# EAGLE board ControlModule-pan2 (EAGLE 7.2.0), part 5 of 9 (continued)
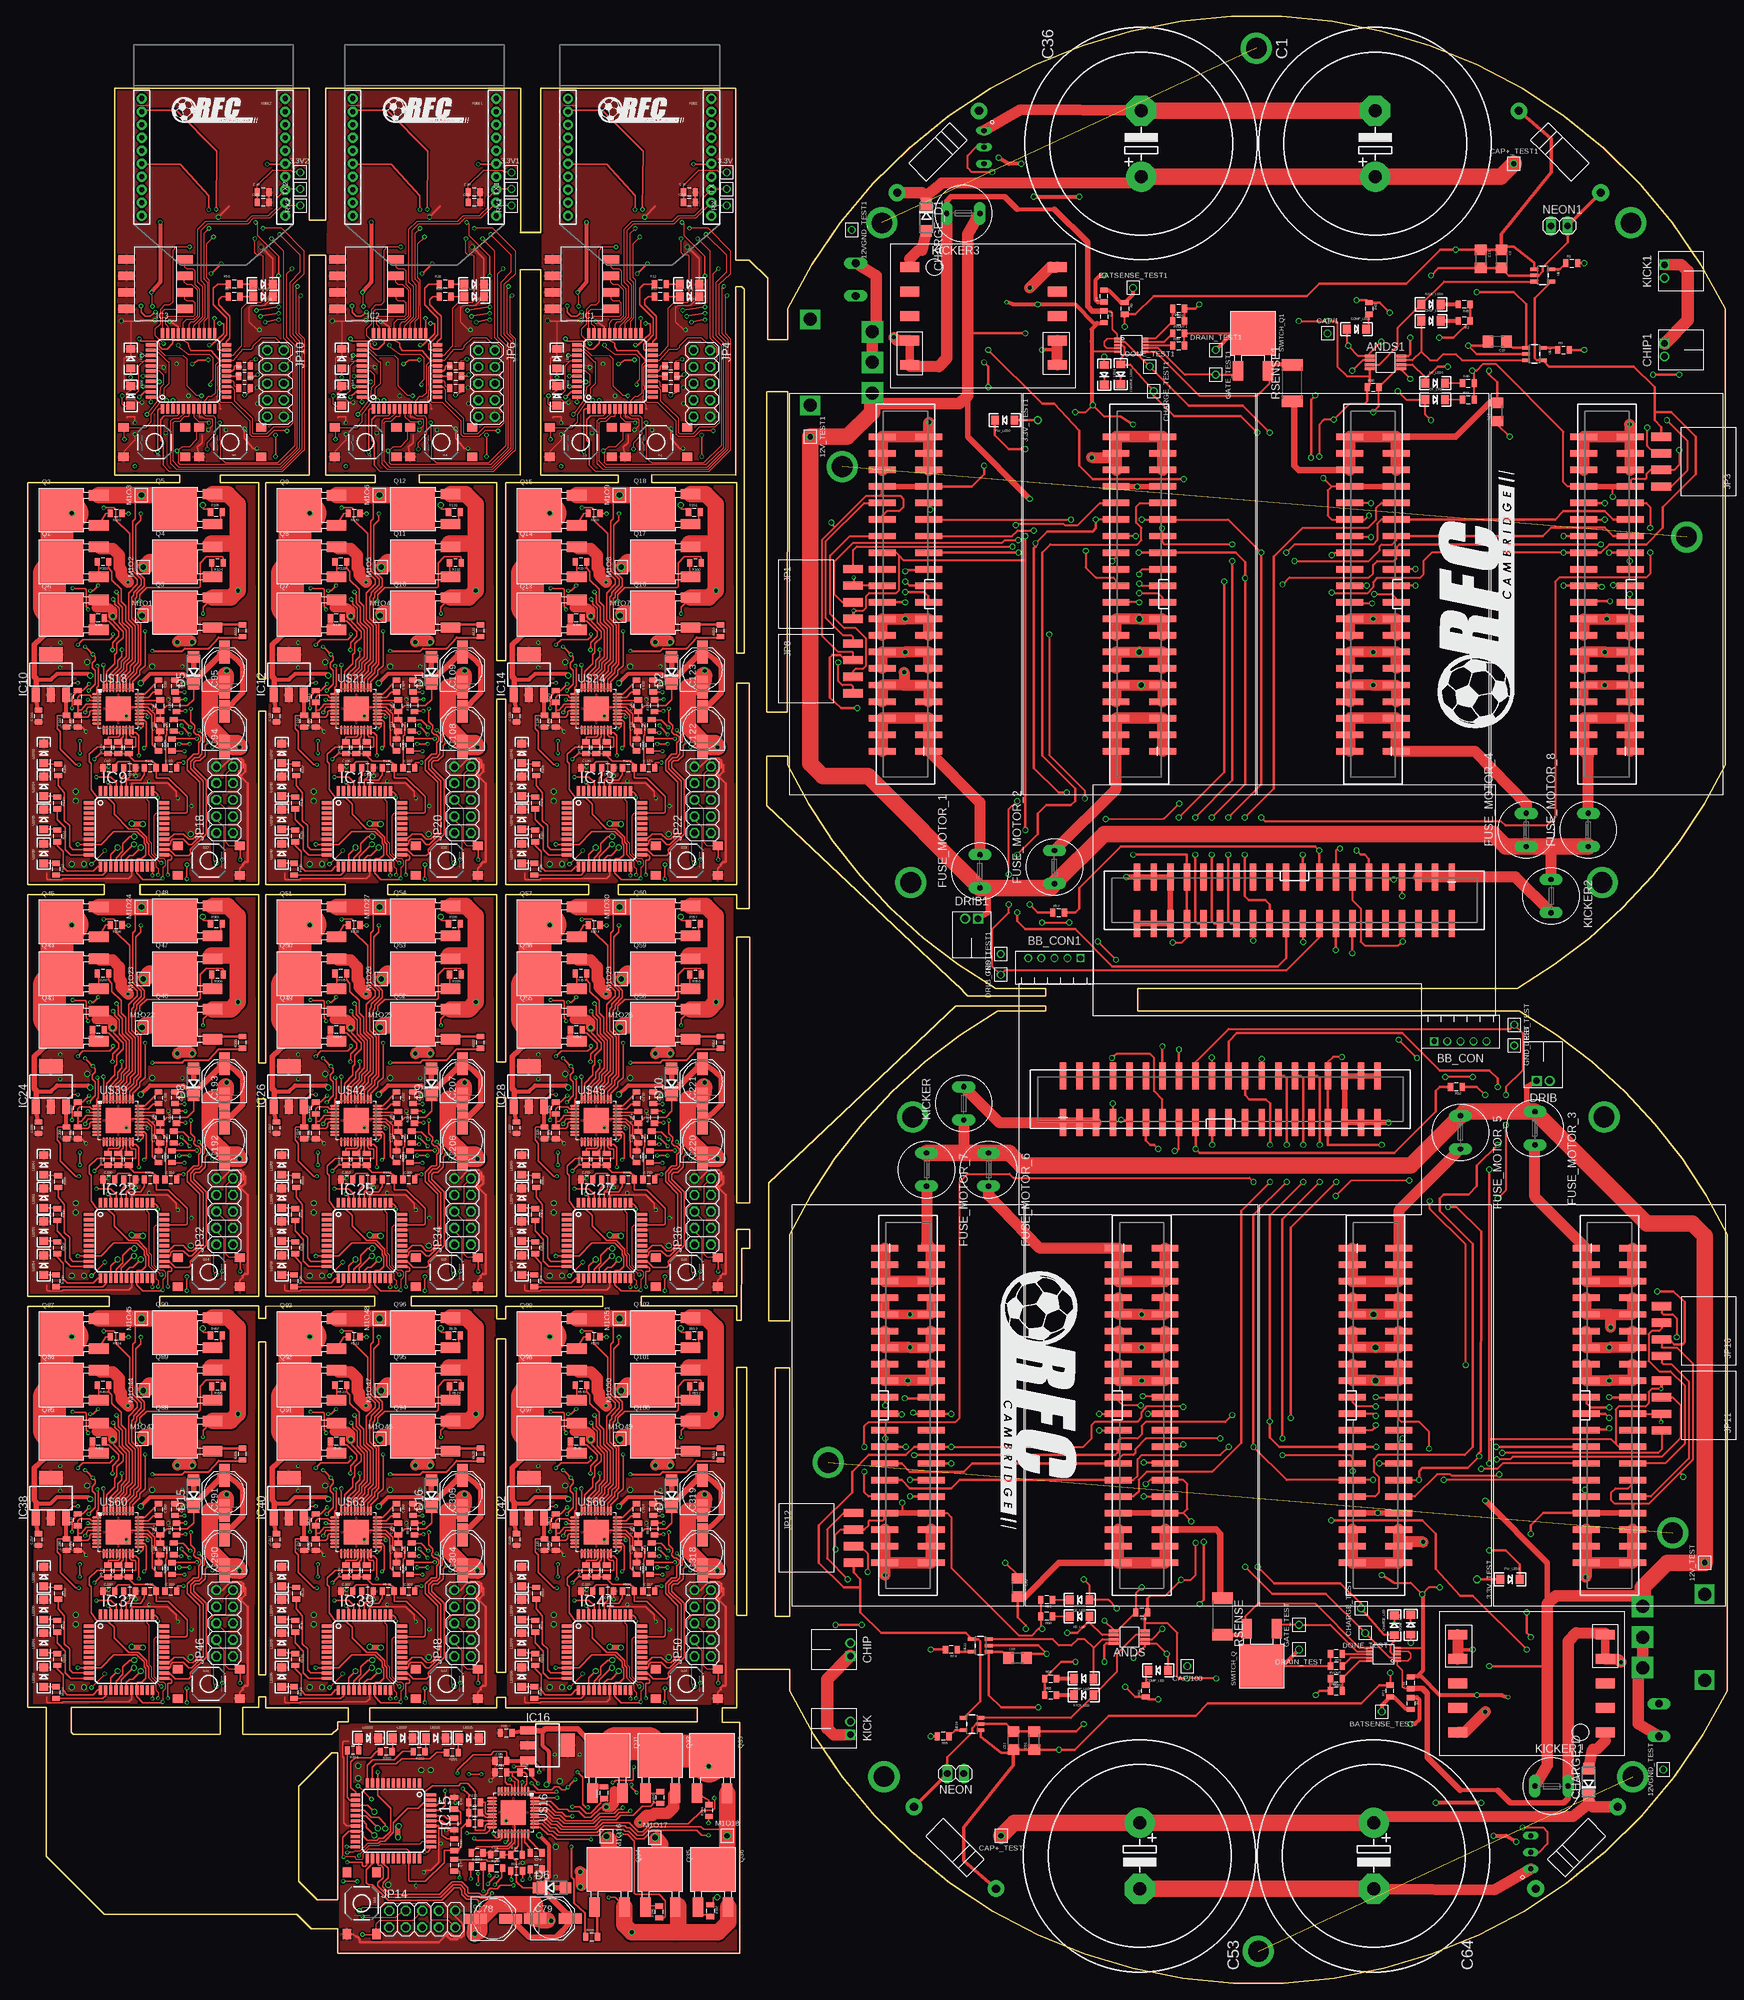
[diagram p0: board, top side]
## Tracks (layer width: path | path; a pad name or v marks a point on that pad's centre or on a via) (continued)
  other vias: 6.71,171.77 8.62,171.77 7.35,181.45 7.35,182.88 9.1,202.73 24.97,176.37 19.1,202.09 21.57,197.02 23.86,199.39 4.97,205.74 4.97,201.93 23.7,202.09
  pour Top (isolate 0.254): 34.75,229.74 0.89,229.9 0.36,169.03 34.87,168.99
  pour Bottom (isolate 0.254): 0.89,229.9 0.79,169.34 34.87,168.99 34.87,229.74
GND9  (via drill 0.3, 0.6)
  Top 0.254: v55.13,184.47 55.13,184.31 54.98,184.15 52.44,184.16 IC11.38 52.44,184.15 57.99,184.15 59.26,182.88 59.26,182.25 v59.54,181.85 | v53.07,185.26 53.07,186.48 C105.1 | IC11.18 52.44,170.03 51.96,169.55 41.96,169.55 41.8,169.39 39.58,169.39 39.42,169.55 39.42,170.34 | v61.59,180.66 61.93,180.65 | v51.64,194.47 51.48,194.47 U$21.P$3 50.62,195.83 U$21.26 54.92,195.83 55.81,194.94 55.95,194.87 55.95,193.1 56.83,192.15 C114.1 56.56,191.85 C103.1 | v45.45,192.09 44.76,192.78 R150.1 | v48.9,186.7 48.9,186.58 48.91,186.57 48.08,186.57 C106.1 | S18.4 69.03,171.04 69.47,171.49 | 67.77,187.82 67.68,187.82 67.62,187.76 67.58,187.76 67.56,187.74 67.38,187.74 66.33,186.69 JP20.10
  Top 0.406: 69.47,171.49 69.47,171.7 69.81,172.04 70.19,172.04 70.27,172.13 70.27,184.13 68.98,185.42 | 68.98,185.42 69.33,185.42 69.85,185.95 69.85,186.96 69.37,187.44 | 68.98,185.42 68.98,186.05 69.54,186.61 69.54,187.62 69.2,187.95 67.98,187.95 67.78,187.81 67.77,187.82
  Bottom 0.254: v55.13,184.47 53.86,184.47 v53.07,185.26 | U$20.3 41.89,209.3 40.37,210.82 39.26,210.82 38.94,211.14 | v59.54,181.85 59.38,181.69 60.06,180.66 v61.59,180.66 | 45.45,192.01 v45.45,192.09
  other vias: 43.23,171.77 45.13,171.77 43.86,181.45 43.86,182.88 45.61,202.73 61.48,176.37 55.61,202.09 58.09,197.02 60.37,199.39 41.48,205.74 41.48,201.93 60.21,202.09
  pour Top (isolate 0.254): 71.26,229.74 37.4,229.9 36.87,169.03 71.38,168.99
  pour Bottom (isolate 0.254): 37.4,229.9 37.31,169.34 71.38,168.99 71.38,229.74
GND10  (via drill 0.3, 0.6)
  Top 0.254: v91.96,184.47 91.96,184.31 91.81,184.15 89.27,184.16 IC13.38 89.27,184.15 94.82,184.15 96.09,182.88 96.09,182.25 v96.37,181.85 | v89.9,185.26 89.9,186.48 C119.1 | IC13.18 89.27,170.03 88.79,169.55 78.79,169.55 78.63,169.39 76.41,169.39 76.25,169.55 76.25,170.34 | v98.42,180.66 98.76,180.65 | v88.47,194.47 88.31,194.47 U$24.P$3 87.45,195.83 U$24.26 91.75,195.83 92.64,194.94 92.78,194.87 92.78,193.1 93.66,192.15 C128.1 93.39,191.85 C117.1 | v82.28,192.09 81.59,192.78 R178.1 | v85.73,186.7 85.73,186.58 85.74,186.57 84.91,186.57 C120.1 | S19.4 105.86,171.04 106.3,171.49 | 104.6,187.82 104.51,187.82 104.45,187.76 104.41,187.76 104.39,187.74 104.21,187.74 103.16,186.69 JP22.10
  Top 0.406: 106.3,171.49 106.3,171.7 106.64,172.04 107.02,172.04 107.1,172.13 107.1,184.13 105.81,185.42 | 105.81,185.42 106.16,185.42 106.68,185.95 106.68,186.96 106.2,187.44 | 105.81,185.42 105.81,186.05 106.37,186.61 106.37,187.62 106.03,187.95 104.81,187.95 104.61,187.81 104.6,187.82
  Bottom 0.254: v91.96,184.47 90.69,184.47 v89.9,185.26 | U$23.3 78.72,209.3 77.2,210.82 76.09,210.82 75.77,211.14 | v96.37,181.85 96.21,181.69 96.89,180.66 v98.42,180.66 | 82.28,192.01 v82.28,192.09
  other vias: 80.06,171.77 81.96,171.77 80.69,181.45 80.69,182.88 82.44,202.73 98.31,176.37 92.44,202.09 94.92,197.02 97.2,199.39 78.31,205.74 78.31,201.93 97.04,202.09
  pour Top (isolate 0.254): 108.09,229.74 74.23,229.9 73.7,169.03 108.21,168.99
  pour Bottom (isolate 0.254): 74.23,229.9 74.14,169.34 108.21,168.99 108.21,229.74
GND16  (via drill 0.3, 0.6)
  Top 0.254: v18.62,121.29 18.62,121.13 18.46,120.97 15.93,120.98 IC23.38 15.92,120.97 21.48,120.97 22.75,119.7 22.75,119.07 v23.03,118.67 | v16.56,122.08 16.56,123.3 C189.1 | IC23.18 15.93,106.85 15.45,106.37 5.45,106.37 5.29,106.21 3.06,106.21 2.91,106.37 2.91,107.16 | v25.08,117.48 25.42,117.47 | v15.13,131.29 14.97,131.29 U$39.P$3 14.11,132.65 U$39.26 18.4,132.65 19.3,131.76 19.44,131.69 19.44,129.91 20.32,128.96 C198.1 20.05,128.66 C187.1 | v8.94,128.91 8.25,129.6 R318.1 | v12.38,123.52 12.38,123.4 12.4,123.39 11.56,123.39 C190.1 | S24.4 32.51,107.86 32.96,108.31 | 31.25,124.64 31.17,124.64 31.11,124.58 31.07,124.58 31.04,124.56 30.86,124.56 29.82,123.51 JP32.10
  Top 0.406: 32.96,108.31 32.96,108.52 33.3,108.86 33.67,108.86 33.76,108.95 33.76,120.95 32.47,122.24 | 32.47,122.24 32.82,122.24 33.34,122.76 33.34,123.78 32.86,124.26 | 32.47,122.24 32.47,122.87 33.02,123.42 33.02,124.44 32.69,124.77 31.47,124.77 31.27,124.63 31.26,124.63 31.25,124.64
  Bottom 0.254: v18.62,121.29 17.35,121.29 v16.56,122.08 | U$38.3 5.38,146.12 3.86,147.64 2.75,147.64 2.43,147.96 | v23.03,118.67 22.87,118.51 23.54,117.48 v25.08,117.48 | 8.94,128.83 v8.94,128.91
  other vias: 6.71,108.59 8.62,108.59 7.35,118.27 7.35,119.7 9.1,139.54 24.97,113.19 19.1,138.91 21.57,133.84 23.86,136.21 4.97,142.56 4.97,138.75 23.7,138.91
  pour Top (isolate 0.254): 34.75,166.56 0.89,166.72 0.36,105.84 34.87,105.8
  pour Bottom (isolate 0.254): 0.89,166.72 0.79,106.16 34.87,105.8 34.87,166.56
GND17  (via drill 0.3, 0.6)
  Top 0.254: v55.13,121.29 55.13,121.13 54.98,120.97 52.44,120.98 IC25.38 52.44,120.97 57.99,120.97 59.26,119.7 59.26,119.07 v59.54,118.67 | v53.07,122.08 53.07,123.3 C203.1 | IC25.18 52.44,106.85 51.96,106.37 41.96,106.37 41.8,106.21 39.58,106.21 39.42,106.37 39.42,107.16 | v61.59,117.48 61.93,117.47 | v51.64,131.29 51.48,131.29 U$42.P$3 50.62,132.65 U$42.26 54.92,132.65 55.81,131.76 55.95,131.69 55.95,129.91 56.83,128.96 C212.1 56.56,128.66 C201.1 | v45.45,128.91 44.76,129.6 R346.1 | v48.9,123.52 48.9,123.4 48.91,123.39 48.08,123.39 C204.1 | S25.4 69.03,107.86 69.47,108.31 | 67.77,124.64 67.68,124.64 67.62,124.58 67.58,124.58 67.56,124.56 67.38,124.56 66.33,123.51 JP34.10
  Top 0.406: 69.47,108.31 69.47,108.52 69.81,108.86 70.19,108.86 70.27,108.95 70.27,120.95 68.98,122.24 | 68.98,122.24 69.33,122.24 69.85,122.76 69.85,123.78 69.37,124.26 | 68.98,122.24 68.98,122.87 69.54,123.42 69.54,124.44 69.2,124.77 67.98,124.77 67.78,124.63 67.77,124.64
  Bottom 0.254: v55.13,121.29 53.86,121.29 v53.07,122.08 | U$41.3 41.89,146.12 40.37,147.64 39.26,147.64 38.94,147.96 | v59.54,118.67 59.38,118.51 60.06,117.48 v61.59,117.48 | 45.45,128.83 v45.45,128.91
  other vias: 43.23,108.59 45.13,108.59 43.86,118.27 43.86,119.7 45.61,139.54 61.48,113.19 55.61,138.91 58.09,133.84 60.37,136.21 41.48,142.56 41.48,138.75 60.21,138.91
  pour Top (isolate 0.254): 71.26,166.56 37.4,166.72 36.87,105.84 71.38,105.8
  pour Bottom (isolate 0.254): 37.4,166.72 37.31,106.16 71.38,105.8 71.38,166.56
GND18  (via drill 0.3, 0.6)
  Top 0.254: v91.96,121.29 91.96,121.13 91.81,120.97 89.27,120.98 IC27.38 89.27,120.97 94.82,120.97 96.09,119.7 96.09,119.07 v96.37,118.67 | v89.9,122.08 89.9,123.3 C217.1 | IC27.18 89.27,106.85 88.79,106.37 78.79,106.37 78.63,106.21 76.41,106.21 76.25,106.37 76.25,107.16 | v98.42,117.48 98.76,117.47 | v88.47,131.29 88.31,131.29 U$45.P$3 87.45,132.65 U$45.26 91.75,132.65 92.64,131.76 92.78,131.69 92.78,129.91 93.66,128.96 C226.1 93.39,128.66 C215.1 | v82.28,128.91 81.59,129.6 R374.1 | v85.73,123.52 85.73,123.4 85.74,123.39 84.91,123.39 C218.1 | S26.4 105.86,107.86 106.3,108.31 | 104.6,124.64 104.51,124.64 104.45,124.58 104.41,124.58 104.39,124.56 104.21,124.56 103.16,123.51 JP36.10
  Top 0.406: 106.3,108.31 106.3,108.52 106.64,108.86 107.02,108.86 107.1,108.95 107.1,120.95 105.81,122.24 | 105.81,122.24 106.16,122.24 106.68,122.76 106.68,123.78 106.2,124.26 | 105.81,122.24 105.81,122.87 106.37,123.42 106.37,124.44 106.03,124.77 104.81,124.77 104.61,124.63 104.6,124.64
  Bottom 0.254: v91.96,121.29 90.69,121.29 v89.9,122.08 | U$44.3 78.72,146.12 77.2,147.64 76.09,147.64 75.77,147.96 | v96.37,118.67 96.21,118.51 96.89,117.48 v98.42,117.48 | 82.28,128.83 v82.28,128.91
  other vias: 80.06,108.59 81.96,108.59 80.69,118.27 80.69,119.7 82.44,139.54 98.31,113.19 92.44,138.91 94.92,133.84 97.2,136.21 78.31,142.56 78.31,138.75 97.04,138.91
  pour Top (isolate 0.254): 108.09,166.56 74.23,166.72 73.7,105.84 108.21,105.8
  pour Bottom (isolate 0.254): 74.23,166.72 74.14,106.16 108.21,105.8 108.21,166.56
GND23  (via drill 0.3, 0.6)
  Top 0.254: v18.62,58.11 18.62,57.95 18.46,57.79 15.93,57.79 IC37.38 15.92,57.79 21.48,57.79 22.75,56.52 22.75,55.88 v23.03,55.49 | v16.56,58.9 16.56,60.12 C287.1 | IC37.18 15.93,43.67 15.45,43.18 5.45,43.18 5.29,43.02 3.06,43.02 2.91,43.18 2.91,43.98 | v25.08,54.3 25.42,54.29 | v15.13,68.11 14.97,68.11 U$60.P$3 14.11,69.47 U$60.26 18.4,69.47 19.3,68.57 19.44,68.51 19.44,66.73 20.32,65.78 C296.1 20.05,65.48 C285.1 | v8.94,65.73 8.25,66.41 R514.1 | v12.38,60.34 12.38,60.22 12.4,60.2 11.56,60.2 C288.1 | S31.4 32.51,44.68 32.96,45.13 | 31.25,61.46 31.17,61.46 31.11,61.4 31.07,61.4 31.04,61.37 30.86,61.37 29.82,60.33 JP46.10
  Top 0.406: 32.96,45.13 32.96,45.34 33.3,45.68 33.67,45.68 33.76,45.76 33.76,57.77 32.47,59.06 | 32.47,59.06 32.82,59.06 33.34,59.58 33.34,60.59 32.86,61.08 | 32.47,59.06 32.47,59.69 33.02,60.24 33.02,61.25 32.69,61.59 31.47,61.59 31.27,61.45 31.26,61.45 31.25,61.46
  Bottom 0.254: v18.62,58.11 17.35,58.11 v16.56,58.9 | U$59.3 5.38,82.94 3.86,84.46 2.75,84.46 2.43,84.78 | v23.03,55.49 22.87,55.33 23.54,54.3 v25.08,54.3 | 8.94,65.64 v8.94,65.73
  other vias: 6.71,45.41 8.62,45.41 7.35,55.09 7.35,56.52 9.1,76.36 24.97,50.01 19.1,75.73 21.57,70.66 23.86,73.03 4.97,79.38 4.97,75.57 23.7,75.73
  pour Top (isolate 0.254): 34.75,103.06 1.21,103.22 0.99,42.98 34.55,43.26
  pour Bottom (isolate 0.254): 0.89,103.22 1.11,42.98 34.55,43.26 34.87,103.06
GND24  (via drill 0.3, 0.6)
  Top 0.254: v55.13,58.11 55.13,57.95 54.98,57.79 52.44,57.79 IC39.38 52.44,57.79 57.99,57.79 59.26,56.52 59.26,55.88 v59.54,55.49 | v53.07,58.9 53.07,60.12 C301.1 | IC39.18 52.44,43.67 51.96,43.18 41.96,43.18 41.8,43.02 39.58,43.02 39.42,43.18 39.42,43.98 | v61.59,54.3 61.93,54.29 | v51.64,68.11 51.48,68.11 U$63.P$3 50.62,69.47 U$63.26 54.92,69.47 55.81,68.57 55.95,68.51 55.95,66.73 56.83,65.78 C310.1 56.56,65.48 C299.1 | v45.45,65.73 44.76,66.41 R542.1 | v48.9,60.34 48.9,60.22 48.91,60.2 48.08,60.2 C302.1 | S32.4 69.03,44.68 69.47,45.13 | 67.77,61.46 67.68,61.46 67.62,61.4 67.58,61.4 67.56,61.37 67.38,61.37 66.33,60.33 JP48.10
  Top 0.406: 69.47,45.13 69.47,45.34 69.81,45.68 70.19,45.68 70.27,45.76 70.27,57.77 68.98,59.06 | 68.98,59.06 69.33,59.06 69.85,59.58 69.85,60.59 69.37,61.08 | 68.98,59.06 68.98,59.69 69.54,60.24 69.54,61.25 69.2,61.59 67.98,61.59 67.78,61.45 67.77,61.46
  Bottom 0.254: v55.13,58.11 53.86,58.11 v53.07,58.9 | U$62.3 41.89,82.94 40.37,84.46 39.26,84.46 38.94,84.78 | v59.54,55.49 59.38,55.33 60.06,54.3 v61.59,54.3 | 45.45,65.64 v45.45,65.73
  other vias: 43.23,45.41 45.13,45.41 43.86,55.09 43.86,56.52 45.61,76.36 61.48,50.01 55.61,75.73 58.09,70.66 60.37,73.03 41.48,79.38 41.48,75.57 60.21,75.73
  pour Top (isolate 0.254): 71.58,103.38 37.4,103.53 37.19,42.98 71.7,42.94
  pour Bottom (isolate 0.254): 37.4,103.53 37.31,42.98 71.7,42.94 71.7,103.38
GND25  (via drill 0.3, 0.6)
  Top 0.254: v91.96,58.11 91.96,57.95 91.81,57.79 89.27,57.79 IC41.38 89.27,57.79 94.82,57.79 96.09,56.52 96.09,55.88 v96.37,55.49 | v89.9,58.9 89.9,60.12 C315.1 | IC41.18 89.27,43.67 88.79,43.18 78.79,43.18 78.63,43.02 76.41,43.02 76.25,43.18 76.25,43.98 | v98.42,54.3 98.76,54.29 | v88.47,68.11 88.31,68.11 U$66.P$3 87.45,69.47 U$66.26 91.75,69.47 92.64,68.57 92.78,68.51 92.78,66.73 93.66,65.78 C324.1 93.39,65.48 C313.1 | v82.28,65.73 81.59,66.41 R570.1 | v85.73,60.34 85.73,60.22 85.74,60.2 84.91,60.2 C316.1 | S33.4 105.86,44.68 106.3,45.13 | 104.6,61.46 104.51,61.46 104.45,61.4 104.41,61.4 104.39,61.37 104.21,61.37 103.16,60.33 JP50.10
  Top 0.406: 106.3,45.13 106.3,45.34 106.64,45.68 107.02,45.68 107.1,45.76 107.1,57.77 105.81,59.06 | 105.81,59.06 106.16,59.06 106.68,59.58 106.68,60.59 106.2,61.08 | 105.81,59.06 105.81,59.69 106.37,60.24 106.37,61.25 106.03,61.59 104.81,61.59 104.61,61.45 104.6,61.46
  Bottom 0.254: v91.96,58.11 90.69,58.11 v89.9,58.9 | U$65.3 78.72,82.94 77.2,84.46 76.09,84.46 75.77,84.78 | v96.37,55.49 96.21,55.33 96.89,54.3 v98.42,54.3 | 82.28,65.64 v82.28,65.73
  other vias: 80.06,45.41 81.96,45.41 80.69,55.09 80.69,56.52 82.44,76.36 98.31,50.01 92.44,75.73 94.92,70.66 97.2,73.03 78.31,79.38 78.31,75.57 97.04,75.73
  pour Top (isolate 0.254): 108.09,103.38 74.23,103.53 73.7,42.98 108.21,42.94
  pour Bottom (isolate 0.254): 74.23,103.53 74.14,43.3 108.21,42.94 108.21,103.38
HYSTERESIS
  Bottom 0.305: CAP_COMP.1 176.94,54.43 R84.1 176.99,52.58 R83.2
HYSTERESIS1
  Bottom 0.305: CAP_COMP1.1 200.37,247.43 R44.1 200.32,249.28 R43.2
KICK_ENABLE  (via drill 0.6)
  Top 0.254: 214.02,245.58 KE_LED1.A
  Top 0.305: ANDS1.P$2 212.44,248.43 214.43,246.44 214.43,246.21 KE_LED1.A
  Top 0.406: COM_BOARD1.11 205.77,172.55 205.13,173.19 204.5,173.19 v203.86,173.82 | v217.83,248.12 216.33,248.12 214.43,246.21
  Bottom 0.406: v203.86,173.82 202.59,175.09 202.59,232.88 v217.83,248.12
KICK_ENABLE1  (via drill 0.41 pad 0.25)
  Top 0.178: IC1.14 96.68,245.02 97.06,244.56 97.06,242.89 99.76,240.27 99.83,240.2 99.83,237.98 99.99,237.81 102.06,237.81 103.13,238.89 105.5,238.89 106.04,239.42 106.05,239.42 106.05,251.15 104.7,252.5 104.68,252.5 104.68,265.83 v102.77,267.74
  Bottom 0.254: JP2.11 101.5,272.82 102.28,272.04 102.28,268.23 v102.77,267.74
KICK_ENABLE2  (via drill 0.41 pad 0.25)
  Top 0.178: IC2.14 63.66,245.02 64.04,244.56 64.04,242.89 66.74,240.27 66.81,240.2 66.81,237.98 66.97,237.81 69.04,237.81 70.11,238.89 72.48,238.89 73.02,239.42 73.03,239.42 73.03,251.15 71.68,252.5 71.66,252.5 71.66,265.83 v69.75,267.74
  Bottom 0.254: JP5.11 68.48,272.82 69.26,272.04 69.26,268.23 v69.75,267.74
KICK_ENABLE3  (via drill 0.41 pad 0.25)
  Top 0.178: IC3.14 31.27,245.02 31.65,244.56 31.65,242.89 34.35,240.27 34.42,240.2 34.42,237.98 34.59,237.81 36.65,237.81 37.72,238.89 40.1,238.89 40.63,239.42 40.64,239.42 40.64,251.15 39.29,252.5 39.27,252.5 39.27,265.83 v37.37,267.74
  Bottom 0.254: JP9.11 36.1,272.82 36.88,272.04 36.88,268.23 v37.37,267.74
KICK_ENABLE4  (via drill 0.6)
  Top 0.254: 163.29,56.28 KE_LED.A
  Top 0.305: ANDS.P$2 164.87,53.43 162.88,55.42 162.88,55.65 KE_LED.A
  Top 0.406: COM_BOARD.11 171.54,129.31 172.18,128.67 172.81,128.67 v173.45,128.04 | v159.48,53.74 160.98,53.74 162.88,55.65
  Bottom 0.406: v173.45,128.04 174.72,126.77 174.72,68.98 v159.48,53.74
KICK_REF  (via drill 0.6)
  Top 0.305: v201.32,174.14 201.01,174.14 200.69,173.82 COM_BOARD1.15
  Bottom 0.305: CAP_COMP1.3 204.21,243.04 208.94,243.04 209.58,242.4 209.58,241.13 201.32,232.88 v201.32,174.14
KICK_REF1  (via drill 0.41 pad 0.25)
  Top 0.178: IC1.20 96.92,249.82 98.17,251.23 98.17,256.96 99.09,257.88 101.17,257.88 101.5,258.21 101.5,265.01 101.31,265.2 100.61,265.2 100.23,265.58 v100.23,267.74
  Bottom 0.254: v100.23,267.74 JP2.15
KICK_REF2  (via drill 0.41 pad 0.25)
  Top 0.178: IC2.20 63.9,249.82 65.15,251.23 65.15,256.96 66.07,257.88 68.15,257.88 68.48,258.21 68.48,265.01 68.29,265.2 67.59,265.2 67.21,265.58 v67.21,267.74
  Bottom 0.254: v67.21,267.74 JP5.15
KICK_REF3  (via drill 0.41 pad 0.25)
  Top 0.178: IC3.20 31.51,249.82 32.76,251.23 32.76,256.96 33.69,257.88 35.77,257.88 36.1,258.21 36.1,265.01 35.91,265.2 35.21,265.2 34.83,265.58 v34.83,267.74
  Bottom 0.254: v34.83,267.74 JP9.15
KICK_REF4  (via drill 0.6)
  Top 0.305: v175.99,127.72 176.3,127.72 176.62,128.04 COM_BOARD.15
  Bottom 0.305: CAP_COMP.3 173.1,58.82 168.37,58.82 167.73,59.46 167.73,60.73 175.99,68.98 v175.99,127.72
LOWCHIP
  Bottom 1.676: CHIP.2 126.19,56.01 127.09,56.92 KICK_Q1.DRAIN 132.24,56.98 CHIP_FLY.ANODE
LOWCHIP1
  Bottom 1.676: CHIP1.2 251.12,245.85 250.22,244.94 KICK_Q3.DRAIN 245.08,244.88 CHIP_FLY1.ANODE
LOWKICK
  Bottom 1.422: KICK_Q.DRAIN 132.87,41.74 KICK_FLY.ANODE
  Bottom 1.778: KICK.2 127.73,42.95 KICK_Q.DRAIN
LOWKICK1
  Bottom 1.422: KICK_Q2.DRAIN 244.44,260.12 KICK_FLY1.ANODE
  Bottom 1.778: KICK1.2 249.58,258.91 KICK_Q2.DRAIN
M1H1  (via drill 0.3)
  Top 0.254: U$18.5 9.16,195.83 8.87,195.1 v8.81,195.04 | v13.07,207.01 13.07,206.7 12.59,206.22 8.46,206.22 v7.67,205.43
  Bottom 0.254: R115.1 7.56,212.83 6.93,212.83 6.72,212.81 6.72,211.93 7.03,211.54 7.67,211.54 8.14,211.06 8.14,206.7 7.67,206.22 v7.67,205.43 7.67,200.45 8.3,199.81 8.3,196.06 v8.81,195.04 | JP17.19 20.29,201.69 20.53,201.93 22.59,201.93 23.07,202.41 23.07,204.7 23.8,205.43 23.8,206.22 23,207.01 18.94,207.01 18.78,206.85 13.54,206.85 13.38,207.01 v13.07,207.01
M1H2  (via drill 0.3, 0.38)
  Top 0.254: v9.35,198.38 10.37,199.39 10.37,201.46 9.89,201.93 9.89,202.57 10.37,203.04 10.37,203.52 | 10.37,203.52 v8.78,205.11 | v9.26,210.82 9.26,210.98 8.94,211.3 8.94,213.84 8.78,214 7.03,214 v6.87,214.08 | v9.99,203.93 10.37,203.52 | U$18.3 9.34,196.83 v9.2,196.98
  Bottom 0.254: v8.78,205.11 8.78,210.35 v9.26,210.82 | v6.87,214.08 6.87,214.32 6.72,214.63 6.72,216.7 R116.1 | JP17.20 10.49,200.82 10.37,200.95 10.37,201.46 9.89,201.93 9.89,202.57 9.99,202.66 v9.99,203.93 | v9.2,196.98 9.2,198.23 v9.35,198.38
M1H3  (via drill 0.3)
  Top 0.254: U$18.1 10.58,198.81 10.81,199.04 10.81,201.97 v10.64,202.16 v10.66,202.17
  Bottom 0.254: 10.68,210.35 10.05,209.71 10.05,204.86 10.66,204.25 v10.66,202.17 10.77,202.01 10.83,201.93 11.15,201.62 16.48,201.62 18.54,199.55 20.05,199.55 20.29,199.32 JP17.21 | 10.68,210.35 | R114.1 7.67,215.11 7.56,215.16 R114.1 | 10.68,210.35 10.68,213.65 9.98,214.36 7.56,214.36 R114.1
M1H4  (via drill 0.3)
  Top 0.254: U$21.1 47.09,198.81 47.32,199.04 47.32,201.97 47.16,202.16 v47.17,202.17
  Bottom 0.254: 47.19,210.35 46.56,209.71 46.56,204.86 47.17,204.25 v47.17,202.17 47.28,202.01 47.35,201.93 47.66,201.62 52.99,201.62 55.05,199.55 56.56,199.55 56.8,199.32 JP19.21 | 47.19,210.35 47.2,210.35 | R142.1 44.18,215.11 44.07,215.16 R142.1 | 47.19,210.35 47.19,213.65 46.49,214.36 44.07,214.36 R142.1
M1H5  (via drill 0.3, 0.38)
  Top 0.254: v45.86,198.38 46.88,199.39 46.88,201.46 46.4,201.93 46.4,202.57 46.88,203.04 46.88,203.52 | 46.88,203.52 v45.29,205.11 | v45.77,210.82 45.77,210.98 45.45,211.3 45.45,213.84 45.29,214 43.55,214 v43.39,214.08 | v46.5,203.93 46.88,203.52 | U$21.3 45.85,196.83 v45.71,196.98
  Bottom 0.254: v45.29,205.11 45.29,210.35 v45.77,210.82 | v43.39,214.08 43.39,214.32 43.23,214.63 43.23,216.7 R144.1 | JP19.20 47.01,200.82 46.88,200.95 46.88,201.46 46.4,201.93 46.4,202.57 46.5,202.66 v46.5,203.93 | v45.71,196.98 45.71,198.23 v45.86,198.38
M1H6  (via drill 0.3)
  Top 0.254: U$21.5 45.68,195.83 45.39,195.1 v45.32,195.04 | v49.58,207.01 49.58,206.7 49.1,206.22 44.97,206.22 v44.18,205.43
  Bottom 0.254: R143.1 44.07,212.83 43.44,212.83 43.23,212.81 43.23,211.93 43.55,211.54 44.18,211.54 44.66,211.06 44.66,206.7 44.18,206.22 v44.18,205.43 44.18,200.45 44.82,199.81 44.82,196.06 v45.32,195.04 | JP19.19 56.8,201.69 57.04,201.93 59.1,201.93 59.58,202.41 59.58,204.7 60.31,205.43 60.31,206.22 59.52,207.01 55.45,207.01 55.29,206.85 50.05,206.85 49.9,207.01 v49.58,207.01
M1H7  (via drill 0.3)
  Top 0.254: U$24.1 83.92,198.81 84.15,199.04 84.15,201.97 83.99,202.16 v84,202.17
  Bottom 0.254: 84.02,210.35 83.39,209.71 83.39,204.86 84,204.25 v84,202.17 84.11,202.01 84.18,201.93 84.49,201.62 89.82,201.62 91.88,199.55 93.39,199.55 93.63,199.32 JP21.21 | 84.02,210.35 84.03,210.35 | R170.1 81.01,215.11 80.9,215.16 R170.1 | 84.02,210.35 84.02,213.65 83.32,214.36 80.9,214.36 R170.1
M1H8  (via drill 0.3, 0.38)
  Top 0.254: v82.69,198.38 83.71,199.39 83.71,201.46 83.23,201.93 83.23,202.57 83.71,203.04 83.71,203.52 | 83.71,203.52 v82.12,205.11 | v82.6,210.82 82.6,210.98 82.28,211.3 82.28,213.84 82.12,214 80.38,214 v80.22,214.08 | v83.33,203.93 83.71,203.52 | U$24.3 82.68,196.83 v82.54,196.98
  Bottom 0.254: v82.12,205.11 82.12,210.35 v82.6,210.82 | v80.22,214.08 80.22,214.32 80.06,214.63 80.06,216.7 R172.1 | JP21.20 83.84,200.82 83.71,200.95 83.71,201.46 83.23,201.93 83.23,202.57 83.33,202.66 v83.33,203.93 | v82.54,196.98 82.54,198.23 v82.69,198.38
M1H9  (via drill 0.3)
  Top 0.254: U$24.5 82.51,195.83 82.22,195.1 v82.15,195.04 | v86.41,207.01 86.41,206.7 85.93,206.22 81.8,206.22 v81.01,205.43
  Bottom 0.254: R171.1 80.9,212.83 80.27,212.83 80.06,212.81 80.06,211.93 80.38,211.54 81.01,211.54 81.49,211.06 81.49,206.7 81.01,206.22 v81.01,205.43 81.01,200.45 81.65,199.81 81.65,196.06 v82.15,195.04 | JP21.19 93.63,201.69 93.87,201.93 95.93,201.93 96.41,202.41 96.41,204.7 97.14,205.43 97.14,206.22 96.35,207.01 92.28,207.01 92.12,206.85 86.88,206.85 86.73,207.01 v86.41,207.01
M1H16  (via drill 0.3)
  Top 0.254: U$16.1 77.72,29.48 77.96,29.25 80.88,29.25 81.08,29.41 v81.08,29.4
  Bottom 0.254: 89.26,29.37 88.62,30.01 83.77,30.01 83.16,29.4 v81.08,29.4 80.92,29.29 80.84,29.22 80.53,28.9 80.53,23.58 78.46,21.52 78.46,20.01 78.23,19.77 JP13.21 | 89.26,29.37 | R206.1 94.02,32.39 94.07,32.49 R206.1 | 89.26,29.37 92.56,29.37 93.27,30.08 93.27,32.49 R206.1
M1H17  (via drill 0.3, 0.38)
  Top 0.254: v77.29,30.71 78.3,29.69 80.37,29.69 80.84,30.17 81.48,30.17 81.96,29.69 82.43,29.69 | 82.43,29.69 v84.02,31.28 | v89.73,30.8 89.89,30.8 90.21,31.12 92.75,31.12 92.91,31.28 92.91,33.02 v92.99,33.18 | v82.85,30.07 82.43,29.69 | U$16.3 75.74,30.71 v75.89,30.86
  Bottom 0.254: v84.02,31.28 89.26,31.28 v89.73,30.8 | v92.99,33.18 93.23,33.18 93.54,33.34 95.61,33.34 R208.1 | JP13.20 79.73,29.56 79.86,29.69 80.37,29.69 80.84,30.17 81.48,30.17 81.58,30.07 v82.85,30.07 | v75.89,30.86 77.14,30.86 v77.29,30.71
M1H18  (via drill 0.3)
  Top 0.254: U$16.5 74.74,30.89 74.01,31.18 v73.96,31.25 | v85.92,26.99 85.61,26.99 85.13,27.47 85.13,31.59 v84.34,32.39
  Bottom 0.254: R207.1 91.75,32.49 91.75,33.13 91.72,33.34 90.85,33.34 90.45,33.02 90.45,32.39 89.97,31.91 85.61,31.91 85.13,32.39 v84.34,32.39 79.36,32.39 78.72,31.75 74.97,31.75 v73.96,31.25 | JP13.19 80.6,19.77 80.84,19.53 80.84,17.47 81.32,16.99 83.61,16.99 84.34,16.26 85.13,16.26 85.92,17.05 85.92,21.12 85.77,21.28 85.77,26.51 85.92,26.67 v85.92,26.99
M1H22  (via drill 0.3)
  Top 0.254: U$39.1 10.58,135.63 10.81,135.86 10.81,138.78 v10.64,138.98 v10.66,138.99
  Bottom 0.254: 10.68,147.16 10.05,146.53 10.05,141.68 10.66,141.07 v10.66,138.99 10.77,138.82 10.83,138.75 11.15,138.43 16.48,138.43 18.54,136.37 20.05,136.37 20.29,136.13 JP31.21 | 10.68,147.16 | R310.1 7.67,151.93 7.56,151.98 R310.1 | 10.68,147.16 10.68,150.47 9.98,151.18 7.56,151.18 R310.1
M1H23  (via drill 0.3, 0.38)
  Top 0.254: v9.35,135.19 10.37,136.21 10.37,138.27 9.89,138.75 9.89,139.39 10.37,139.86 10.37,140.34 | 10.37,140.34 v8.78,141.93 | v9.26,147.64 9.26,147.8 8.94,148.12 8.94,150.66 8.78,150.82 7.03,150.82 v6.87,150.9 | v9.99,140.75 10.37,140.34 | U$39.3 9.34,133.65 v9.2,133.79
  Bottom 0.254: v8.78,141.93 8.78,147.16 v9.26,147.64 | v6.87,150.9 6.87,151.13 6.72,151.45 6.72,153.51 R312.1 | JP31.20 10.49,137.64 10.37,137.77 10.37,138.27 9.89,138.75 9.89,139.39 9.99,139.48 v9.99,140.75 | v9.2,133.79 9.2,135.04 v9.35,135.19
M1H24  (via drill 0.3)
  Top 0.254: U$39.5 9.16,132.65 8.87,131.92 v8.81,131.86 | v13.07,143.83 13.07,143.51 12.59,143.04 8.46,143.04 v7.67,142.24
  Bottom 0.254: R311.1 7.56,149.65 6.93,149.65 6.72,149.63 6.72,148.75 7.03,148.36 7.67,148.36 8.14,147.88 8.14,143.51 7.67,143.04 v7.67,142.24 7.67,137.27 8.3,136.63 8.3,132.88 v8.81,131.86 | JP31.19 20.29,138.51 20.53,138.75 22.59,138.75 23.07,139.23 23.07,141.51 23.8,142.24 23.8,143.04 23,143.83 18.94,143.83 18.78,143.67 13.54,143.67 13.38,143.83 v13.07,143.83
M1H25  (via drill 0.3)
  Top 0.254: U$42.1 47.09,135.63 47.32,135.86 47.32,138.78 47.16,138.98 v47.17,138.99
  Bottom 0.254: 47.19,147.16 46.56,146.53 46.56,141.68 47.17,141.07 v47.17,138.99 47.28,138.82 47.35,138.75 47.66,138.43 52.99,138.43 55.05,136.37 56.56,136.37 56.8,136.13 JP33.21 | 47.19,147.16 47.2,147.16 | R338.1 44.18,151.93 44.07,151.98 R338.1 | 47.19,147.16 47.19,150.47 46.49,151.18 44.07,151.18 R338.1
M1H26  (via drill 0.3, 0.38)
  Top 0.254: v45.86,135.19 46.88,136.21 46.88,138.27 46.4,138.75 46.4,139.39 46.88,139.86 46.88,140.34 | 46.88,140.34 v45.29,141.93 | v45.77,147.64 45.77,147.8 45.45,148.12 45.45,150.66 45.29,150.82 43.55,150.82 v43.39,150.9 | v46.5,140.75 46.88,140.34 | U$42.3 45.85,133.65 v45.71,133.79
  Bottom 0.254: v45.29,141.93 45.29,147.16 v45.77,147.64 | v43.39,150.9 43.39,151.13 43.23,151.45 43.23,153.51 R340.1 | JP33.20 47.01,137.64 46.88,137.77 46.88,138.27 46.4,138.75 46.4,139.39 46.5,139.48 v46.5,140.75 | v45.71,133.79 45.71,135.04 v45.86,135.19
M1H27  (via drill 0.3)
  Top 0.254: U$42.5 45.68,132.65 45.39,131.92 v45.32,131.86 | v49.58,143.83 49.58,143.51 49.1,143.04 44.97,143.04 v44.18,142.24
  Bottom 0.254: R339.1 44.07,149.65 43.44,149.65 43.23,149.63 43.23,148.75 43.55,148.36 44.18,148.36 44.66,147.88 44.66,143.51 44.18,143.04 v44.18,142.24 44.18,137.27 44.82,136.63 44.82,132.88 v45.32,131.86 | JP33.19 56.8,138.51 57.04,138.75 59.1,138.75 59.58,139.23 59.58,141.51 60.31,142.24 60.31,143.04 59.52,143.83 55.45,143.83 55.29,143.67 50.05,143.67 49.9,143.83 v49.58,143.83
M1H28  (via drill 0.3)
  Top 0.254: U$45.1 83.92,135.63 84.15,135.86 84.15,138.78 83.99,138.98 v84,138.99